# Altium PCB LED Tweezer.PcbDoc
Units mil, origin at the board's own origin, x right, y up, seen from the top; angles counter-clockwise.
Board outline 3700.79 x 2125.98 mil, 2 copper layers (Top Layer, Bottom Layer), stack 65.792 mil thick; 24 components, 25 nets, 105 pads, 11 vias.
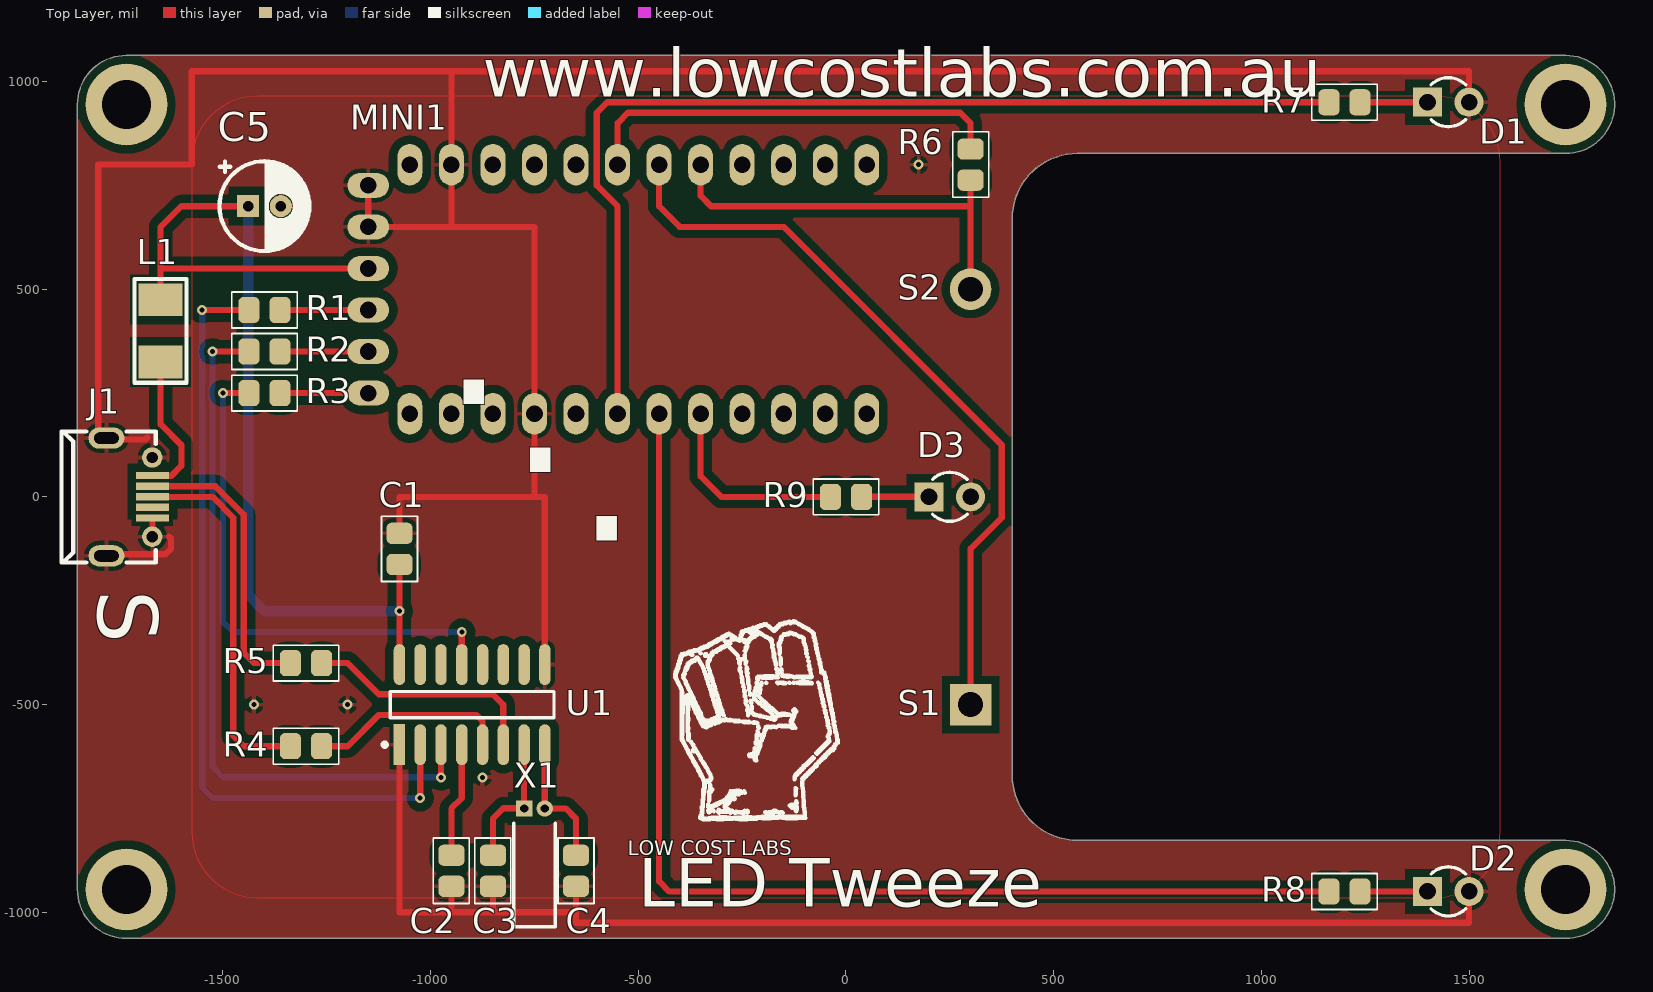
[diagram p0: Top Layer view]
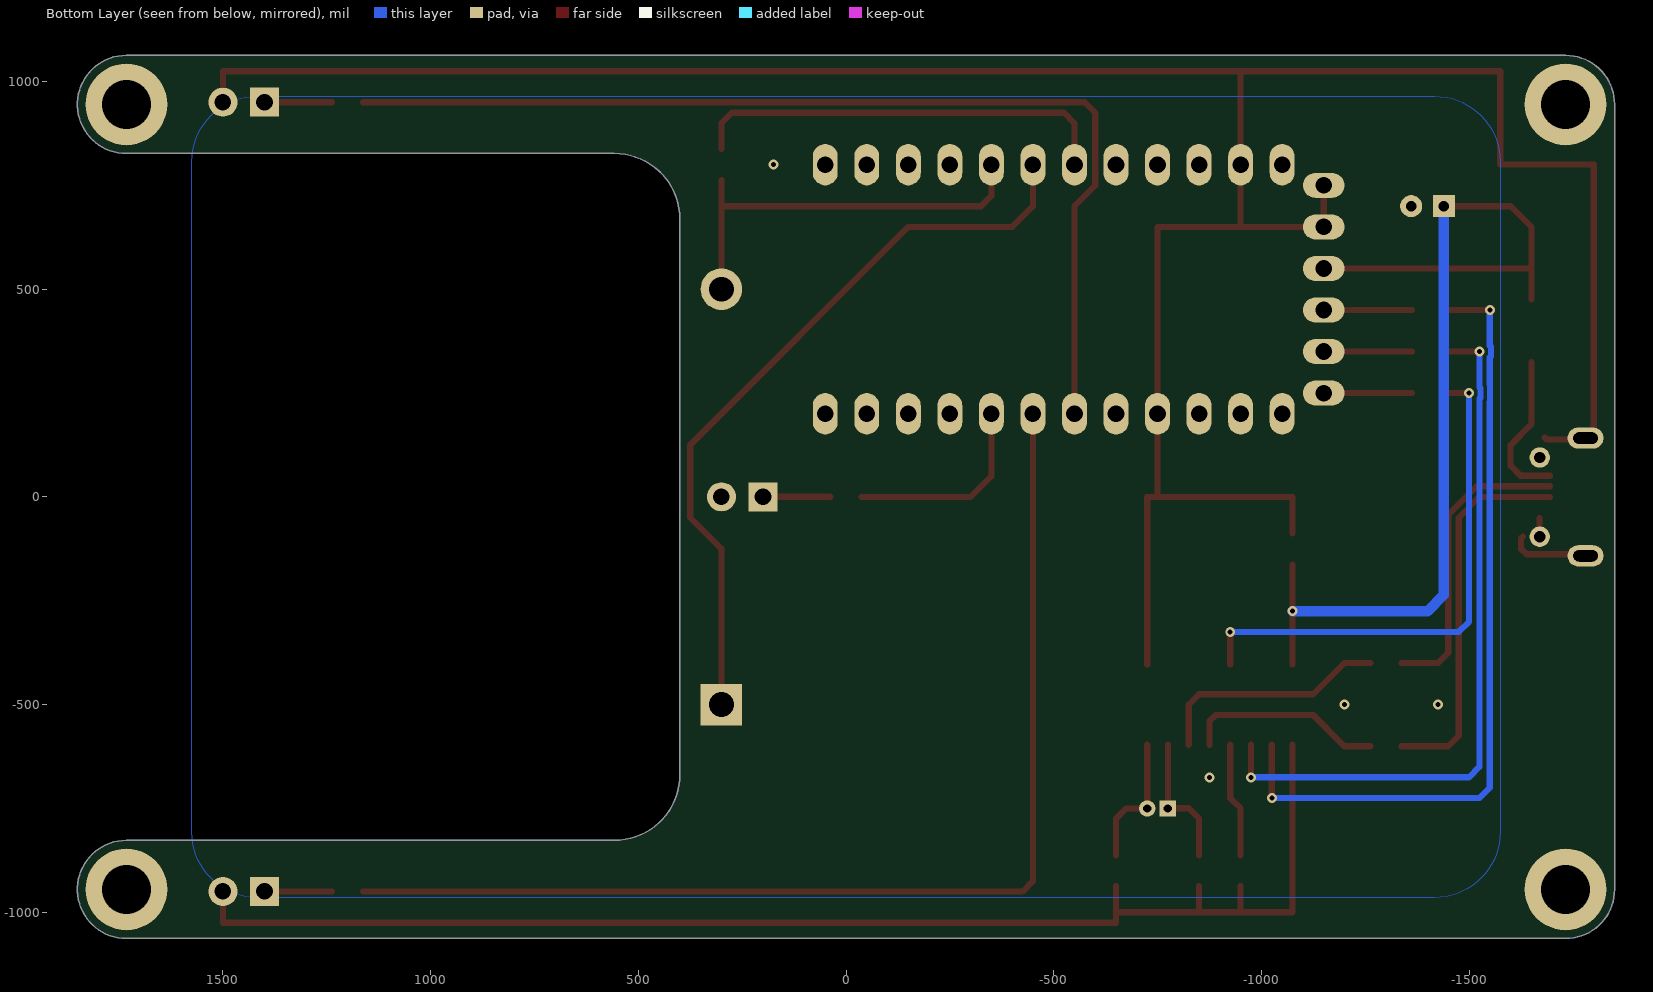
[diagram p1: Bottom Layer view, seen from below]
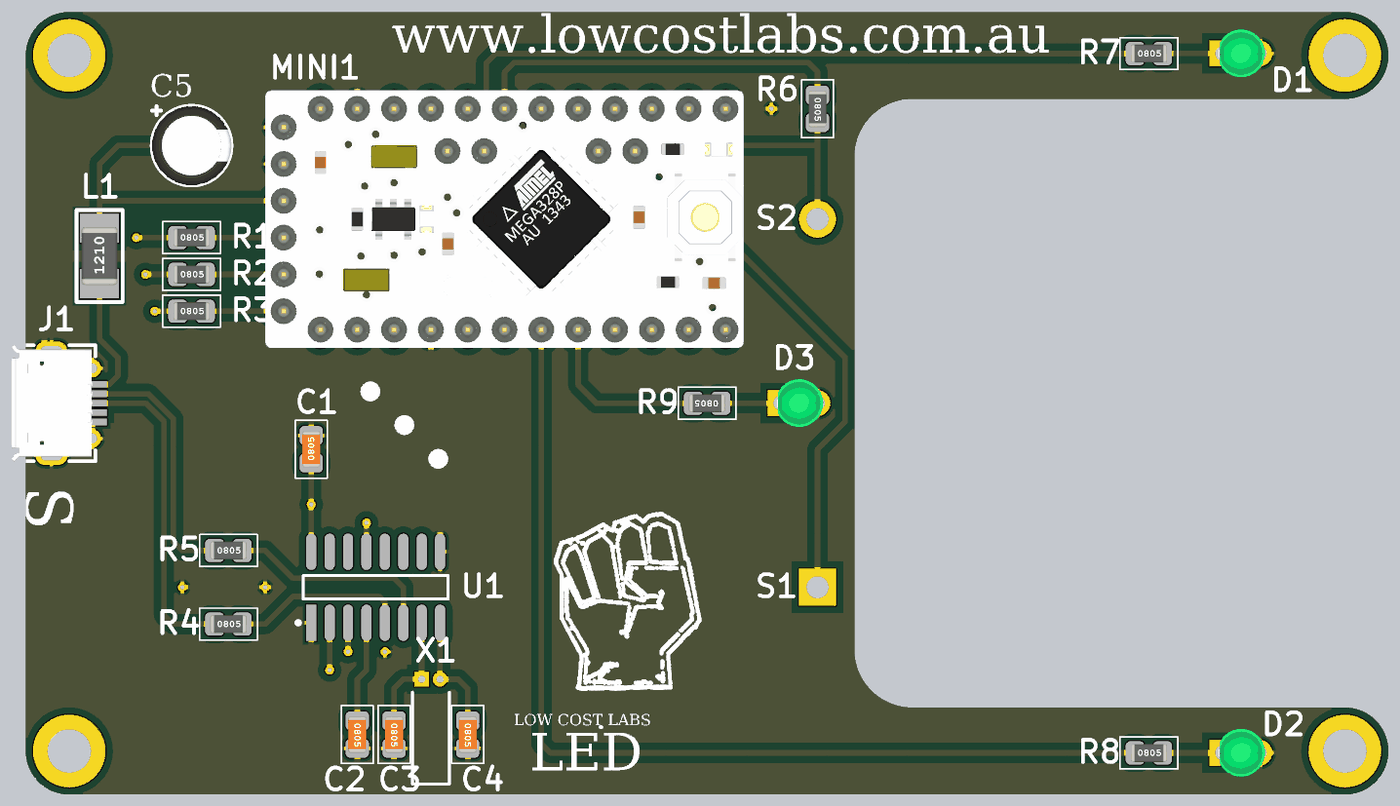
[diagram p2: 3D render of the assembled board from above, using the file's embedded part models]

## Layer stack, top to bottom
Top Solder: solder mask 0.4, Solder Resist, Dk 3.5
Top Layer: signal copper 1.4
Dielectric 1: dielectric 62.9921, FR-4, Dk 4.8
Bottom Layer: signal copper 1.4
Bottom Solder: solder mask 0.4, Solder Resist, Dk 3.5

## Board outline
-1850.39,-944.88 -1850.39,944.88 cw(c-1732.28,944.88) -1732.28,1062.99 1732.28,1062.99 cw(c1732.28,944.88) 1732.28,826.77 557.48,826.77 ccw(c557.48,669.29) 400,669.29 400,-669.29 ccw(c557.48,-669.29) 557.48,-826.77 1732.28,-826.77 cw(c1732.28,-944.88) 1732.28,-1062.99 -1732.28,-1062.99 cw(c-1732.28,-944.88)

## Design rules (kind name [scope] priority, off if disabled: settings)
Clearance Poly_GND [inPolygon vs not innet (gnd)] p1: gap=20
Clearance [All] p2: gap=8
HoleSize [All] p1 off: absolutevalues=TRUE maxlimit=100 minlimit=1 maxpercent=80.000 minpercent=20.000
HoleSize Testpoint [All] p2 off: absolutevalues=TRUE maxlimit=100 minlimit=1 maxpercent=80.000 minpercent=20.000
HoleSize TestPointUsage [All] p3 off: absolutevalues=TRUE maxlimit=100 minlimit=1 maxpercent=80.000 minpercent=20.000
HoleToHoleClearance [All] p1 off: gap=10 allowstackedmicrovias=TRUE
LayerPairs [All] p1 off: enforce=TRUE
MinimumSolderMaskSliver [All] p1 off: minsoldermaskwidth=10
MinimumSolderMaskSliver SilkscreenOverComponentPads [All] p2 off: minsoldermaskwidth=10
NetAntennae [All] p1 off: netantennaetolerance=0
PolygonConnect [All] p1: connectstyle=Relief reliefconductorwidth=10 reliefentries=4 polygonreliefangle="90 Angle" airgapwidth=10
RoomDefinition "LED Tweezer" [InComponentClass('LED Tweezer')] p1: confinementstyle=ConfineIn formatcopy=TRUE lockcomponents=FALSE outline -1900,-1100 1900,-1100 1900,1100 -1900,1100
RoutingVias [All] p1: holewidth=12 width=24 viastyle="Through Hole" minholewidth=12 minwidth=24 maxholewidth=28 maxwidth=50
SilkToSilkClearance [All] p1 off: silktosilkclearance=10
SilkToSolderMaskClearance [IsPad] p1 off: minsilkscreentomaskgap=10 clearancetoexposedcopper=TRUE
SolderMaskExpansion [All] p1: expansion=4
Width Standard [All] p1: maxlimit=25 minlimit=8 preferedwidth=8
Width Power [inNet('VIN')] p2: maxlimit=100 minlimit=8 preferedwidth=25
23 further rules are at their usual default settings.

## Components (designator, comment, footprint, x,y, rotation, side; value= is the part's Value field where it differs from the comment)
C1 "100nF" "CAPACITOR 0805" -1075,-125 r90 top
C2 "100nF" "CAPACITOR 0805" -950,-900 r270 top
C3 "22pF" "CAPACITOR 0805" -850,-900 r270 top
C4 "22pF" "CAPACITOR 0805" -650,-900 r270 top
C5 "10uF" "CAP ELECTRO 5mm" -1400,700 r0 top (schematic designator C1)
D1 "LED (RED)" "LED(3D) 3MM VERTICAL (GREEN)" 1450,950 r180 top
D2 "LED (GREEN)" "LED(3D) 3MM VERTICAL (GREEN)" 1450,-950 r180 top
D3 "LED (BLUE)" "LED(3D) 3MM VERTICAL (GREEN)" 250,0 r180 top
J1 "LCSC #C145792" MICRO-B-USB-SMD -1725,0 r270 top
L1 "BEAD" "RES (3D) - 1210" -1650,400 r90 top
MINI1 "ARDUINO PRO MINI" "ARDUINO PRO MINI" -500,500 r270 top
R1 "LINK" "RESISTOR 0805" -1400,450 r0 top
R2 "LINK" "RESISTOR 0805" -1400,350 r0 top
R3 "LINK" "RESISTOR 0805" -1400,250 r0 top
R4 "220R" "RESISTOR 0805" -1300,-600 r0 top
R5 "220R" "RESISTOR 0805" -1300,-400 r0 top
R6 "Value" "RESISTOR 0805" 300,800 r270 top
R7 "Value" "RESISTOR 0805" 1200,950 r0 top
R8 "Value" "RESISTOR 0805" 1200,-950 r0 top
R9 "Value" "RESISTOR 0805" 0,0 r180 top
S1 "PROBE(+)" SOCKET-SQUARE 300,-500 r90 top
S2 "PROBE(-)" SOCKET-ROUND 300,500 r90 top
U1 "CH340G" SOIC-16 -900,-500 r90 top
X1 "12MHz" ABRA-AB15T-2_V -750,-750 r90 top

## Footprints (in the part's own frame and the unit in brackets; to place one, negate y for a bottom-side part, rotate by r counter-clockwise, add the part's x,y. Pads: shape width x height; smd on the part's side, far side on the other; paste and mask are expansions set on the pad)
ABRA-AB15T-2_V [mm] "THD, 2-Leads, Body 5.1x1.5mm, Height 1.5mm"
  rect 1x1 hole 0.5: 1(0,0.627)
  round 1 hole 0.5: 2(0,-0.627)
  silkscreen extent -7.24,-1.27 -0.89,1.27, body extent -7.02,-1 0.12,1, height 2
"ARDUINO PRO MINI" [mil]
  oval 100x60 hole 40: 1(300,-550) 2(300,-450) 3(300,-350) 4(300,-250) 5(300,-150) 6(300,-50) 7(300,50) 8(300,150) 9(300,250) 10(300,350) 11(300,450) 12(300,550) 13(-300,550) 14(-300,450) 15(-300,350) 16(-300,250) 17(-300,150) 18(-300,50) 19(-300,-50) 20(-300,-150) 21(-300,-250) 22(-300,-350) 23(-300,-450) 24(-300,-550)
  oval 60x100 hole 40: 25(250,-650) 26(150,-650) 27(50,-650) 28(-50,-650) 29(-150,-650) 30(-250,-650)
  body extent -350,-700 350,600, height 239
"CAP ELECTRO 5mm" [mm]
  rect 1.35x1.35 hole 0.65: 1(-1,0)
  round 1.35 hole 0.65: 2(1,0)
  silkscreen extent -2.75,-2.75 2.75,2.75, body extent -2.75,-2.75 2.75,2.75, height 12.5
"CAPACITOR 0805" [mm]
  rrect50% 1.3x1.6 smd: 1(-0.95,0) 2(0.95,0)
  silkscreen extent -2,-1.1 2,1.1, body extent -1.25,-0.62 1.25,0.62, height 0.8
"LED(3D) 3MM VERTICAL (GREEN)" [mil]
  rect 70x70 hole 40: 1(50.06,-0.28)
  round 70 hole 40: 2(-49.94,-0.28)
  silkscreen extent -42,-59 42,59, body extent -65,-65 61,64, height 196
MICRO-B-USB-SMD [mm] "Korean Hroparts Elec U-F-M5DD-W-L (LCSC #C145792)"
  rect 0.45x2 smd: 1(-1.31,1.407) 2(-0.66,1.407) 3(-0.01,1.407) 4(0.64,1.407) 5(1.29,1.407)
  oval 1.3x2.199 hole 0.7 slot 1.5 at 90 deg: SHIELD(-3.6,-1.407) SHIELD(3.6,-1.407)
  round 1.25 hole 0.7: SHIELD(-2.41,1.393) SHIELD(2.431,1.393)
  silkscreen extent -4,-4.15 4,1.61, body extent -4.04,-4.17 4.01,1.41, height 2.77
"RES (3D) - 1210" [mm] "Chip Diode; Body 3.2 x 2.5 mm (LxW typ)"
  rect 2x2.7 smd: 1(-1.905,0) 2(1.905,0)
  silkscreen extent -3.17,-1.59 3.17,1.59, body extent -2,-1.24 2,1.24, height 1.7
"RESISTOR 0805" [mm]
  rrect50% 1.3x1.6 smd: 1(-0.95,0) 2(0.95,0)
  silkscreen extent -2,-1.1 2,1.1, body extent -1.25,-0.62 1.25,0.62, height 0.8
SOCKET-ROUND [mil]
  round 100 hole 60 unplated: 1(0,0)
SOCKET-SQUARE [mil]
  rect 100x100 hole 60 unplated: 1(0,0)
SOIC-16 [mm] "SOIC, 16-Leads, Body 9.9x3.9mm, Pitch 1.27mm, IPC Low Density"
  rect 2.5x0.7 smd: 1(-2.45,4.445)
  oval 2.5x0.7 smd: 2(-2.45,3.175) 3(-2.45,1.905) 4(-2.45,0.635) 5(-2.45,-0.635) 6(-2.45,-1.905) 7(-2.45,-3.175) 8(-2.45,-4.445) 9(2.45,-4.445) 10(2.45,-3.175) 11(2.45,-1.905) 12(2.45,-0.635) 13(2.45,0.635) 14(2.45,1.905) 15(2.45,3.175) 16(2.45,4.445)
  silkscreen extent -2.57,-5 0.8,5.47, body extent -3.08,-5.04 3.08,5.04, height 2

## Part data
C1 C2: library part "0603 CAPACITOR-1", "GENERIC 0603 CAPACITOR (IPCC COMPLIANT)"
C3 C4: library part CMP-xz5e0ntg24ede4ywr789-1, "Capacitor 0805"
C5: library part CMP-su2zmkw1kc3z49ns9isd-1, "5mm Through Hole Electrolytic 2mm Pitch, 5mm height"
D1 D2 D3: library part "LED 3mm RED", "3mm RED LED"
J1: library part CMP-284de3f198a7f78a-3, "Hirose ZX62D-B-5PA8 MICRO USB"
L1: library part "INDUCTOR SMD 1210 100uH", "INDUCTOR SMD 1210"
R1 R2 R3 R4 R5: library part CMP-nyzt47j077kuntqddeld-3, "GENERIC 0603 RESISTOR (IPCC COMPLIANT)"
R6 R7 R8 R9: library part Res2, "Resistor"
S1 S2: library part "Banana Plug Socket", "Banana Socket"
U1: "CH340G USB To Serial (TTL) Module"
X1: library part CMP-781972-4, "Low Frequency Cylindrical Watch Crystal, 32.768 kHz, -20 to 70 degC, 2-Pin 5 x 1.4 x 1.5 mm THD, RoHS, Bulk"

## Free pads (board coordinates)
  round 10 on Mech16: 1(5082.1,-3582.94) 1(5082.1,-3582.94) 1(5082.62,-3660.05) 1(5082.62,-3660.05) 1(5269.4,-3515.17) 1(5269.4,-3515.17)
  round 196.85 hole 118.11 unplated: MOUNT(-1732.28,-944.88) MOUNT(-1732.28,944.88) MOUNT(1732.28,-944.88) MOUNT(1732.28,944.88)

## Via types
v1: diameter 24, hole 12, Top Layer to Bottom Layer, 11 vias

## Nets (pads, with @x,y where several pads share a name; then routed paths per layer and width w, separated by ;. In a path a pad name is that pad's centre, name@x,y a point inside that pad or via, vN(x,y) a via of type N, cw(c..) or ccw(c..) an arc to the next point about the centre after c; other vN are vias at no path point)
3V3: C2.1 U1.4 | length 276.5
  Top Layer w15: C2.1 -950,-750 -925,-725 U1.4
DTR: MINI1.25 R3.2 | length 212.6
  Top Layer w15: R3.2 MINI1.25
GND: C1.2 C2.2 C3.2 C4.2 C5.2 D1.2 D2.2 D3.2 J1.5 J1.SHIELD MINI1.4 MINI1.23 MINI1.29 MINI1.30 U1.1 U1.9 | length 10270.2
  Top Layer w15: J1.SHIELD@-1800,-138.29 -1638.29,-138.29 -1625,-125 -1625,-100 -1629.53,-95.47 ; -1681.89,143.11 -1686.73,138.27 -1800,138.27 -1800,800 -1575,800 -1575,1025 -950,1025 ; J1.SHIELD@-1669.59,-95.12 J1.5 ; MINI1.30 MINI1.29 -950,650 ; U1.1 -1075,-1000 -950,-1000 ; C1.2 -1075,0 -750,0 ; C2.2 -950,-1000 ; C3.2 -850,-1000 ; U1.9 -725,0 -750,0 ; C4.2 -650,-1000 -850,-1000 ; -649.94,-1000.06 -649.94,-1024.94 1499.94,-1024.94 D2.2 ; D1.2 1499.94,1024.94 1499.88,1025 -950,1025 ; -950,-1000 -850,-1000 ; -950,650 -750,650 MINI1.4 -750,0 ; -950,650 MINI1.23 -950,1025
  other v1: -875,-675 -1425,-500 -1200,-500 175,800
NetC3_1: C3.1 U1.7 X1.1 | length 326.3
  Top Layer w15: C3.1 -850,-775 -824.68,-749.68 -775,-749.68 U1.7
NetC4_1: C4.1 U1.8 X1.2 | length 326.9
  Top Layer w15: U1.8 -725.31,-596.77 X1.2 -675,-750 -650,-775 C4.1
NetD1_1: D1.1 R7.2 | length 162.3
  Top Layer w15: R7.2@1237.69,950.28 D1.1
NetD2_1: D2.1 R8.2 | length 162.3
  Top Layer w15: R8.2@1237.69,-949.72 D2.1
NetD3_1: D3.1 R9.1 | length 162.7
  Top Layer w15: R9.1 37.69,0.28 D3.1
NetJ1_1: J1.1 L1.1 | length 375.3
  Top Layer w15: J1.1@-1694.69,51.18 -1623.82,51.18 -1600,75 -1600,125 -1650,175 L1.1
NetR1_1: R1.1 U1.2 | length 1929
  Top Layer w15: v1(-1550,450) R1.1 ; v1(-1025,-725) U1.2
  Bottom Layer w15: v1(-1550,450) -1550,363.89 -1552.5,361.39 -1552.5,338.61 -1550,336.11 -1550,271.42 -1550.5,270.92 -1550.5,229.08 -1550,228.58 -1550,-700 -1525,-725 v1(-1025,-725)
NetR2_1: R2.1 U1.3 | length 1728.6
  Top Layer w15: v1(-1525,350) R2.1 ; v1(-975,-675) U1.3
  Bottom Layer w15: v1(-1525,350) -1525,263.89 -1527.5,261.39 -1527.5,238.61 -1525,236.11 -1525,-650 -1500,-675 v1(-975,-675)
NetR3_1: R3.1 U1.13 | length 1276.5
  Top Layer w15: v1(-1500,250) R3.1 ; U1.13 v1(-925,-325)
  Bottom Layer w15: v1(-1500,250) -1500,-300 -1475,-325 v1(-925,-325)
NetR4_2: R4.2 U1.5 | length 481.3
  Top Layer w15: R4.2 -1200,-600 -1125,-525 -890,-525 -875,-540 U1.5
NetR5_2: R5.2 U1.6 | length 575.5
  Top Layer w15: R5.2 -1200,-400 -1125,-475 -850,-475 -825,-500 U1.6
PROBE_A: MINI1.18 S1.1 | length 1819.2
  Top Layer w15: MINI1.18 -450,700 -400,650 -150,650 375,125 375,-50 300,-125 S1.1
PROBE_B: MINI1.17 R6.2 S2.1 | length 998
  Top Layer w15: MINI1.17 -350,725 -325,700 300,700 ; S2.1 300,700 ; R6.2 300,700
RXIN: MINI1.27 R1.2 | length 212.6
  Top Layer w15: R1.2 MINI1.27
SENSE: MINI1.19 R6.1 | length 1033.3
  Top Layer w15: MINI1.19 -550,900 -525,925 275,925 300,900 R6.1
STATUS_0: MINI1.6 R7.1 | length 2518.7
  Top Layer w15: MINI1.6 -550,700 -600,750 -600,925 -575,950 R7.1
STATUS_1: MINI1.7 R8.1 | length 2748
  Top Layer w15: MINI1.7 -450,-925 -425,-950 R8.1
STATUS_2: MINI1.8 R9.2 | length 483.3
  Top Layer w15: MINI1.8 -350,50 -300,0 R9.2
TXOUT: MINI1.26 R2.2 | length 212.6
  Top Layer w15: R2.2 MINI1.26
USB_5V: C1.1 C5.1 L1.2 MINI1.28 U1.16 | length 2463.8
  Top Layer w15: L1.2 -1650.01,649.99 -1600,700 C5.1 ; -1650.01,550 MINI1.28 ; U1.16 v1(-1075,-275) C1.1
  Bottom Layer w25: C5.1 -1439.37,-235.63 -1400,-275 v1(-1075,-275)
USB_D+: J1.3 R4.1 | length 913.3
  Top Layer w15: J1.3@-1694.68,0 -1525,0 -1475,-50 -1475,-575 -1450,-600 R4.1
USB_D-: J1.2 R5.1 | length 728.4
  Top Layer w15: J1.2@-1694.69,25.59 -1518.06,25.59 -1450,-42.47 -1450,-375 -1425,-400 R5.1
pads on no net: J1.4 MINI1.1 MINI1.2 MINI1.3 MINI1.5 MINI1.9 MINI1.10 MINI1.11 MINI1.12 MINI1.13 MINI1.14 MINI1.15 MINI1.16 MINI1.20 MINI1.21 MINI1.22 MINI1.24 U1.10 U1.11 U1.12 U1.14 U1.15

## Polygon pours and split planes (outlines as drawn)
GND on Top Layer "TOP GND" (solid, remove dead copper, pour order 3): -1850.39,-944.88 -1850.39,944.88 cw(c-1732.28,944.88) -1732.28,1062.99 1732.28,1062.99 cw(c1732.28,944.88) 1732.28,826.77 557.48,826.77 ccw(c557.48,669.29) 400,669.29 400,-669.29 ccw(c557.48,-669.29) 557.48,-826.77 1732.28,-826.77 cw(c1732.28,-944.88) 1732.28,-1062.99 -1732.28,-1062.99 cw(c-1732.28,-944.88)
GND on Top Layer "TOP GND" (solid, remove dead copper, shelved, pour order 0): -1574.8,-807.09 ccw(c-1417.32,-807.09) -1417.32,-964.57 1417.32,-964.57 ccw(c1417.32,-807.09) 1574.8,-807.09 1574.8,807.09 ccw(c1417.32,807.09) 1417.32,964.57 -1417.32,964.57 ccw(c-1417.32,807.09) -1574.8,807.09
GND on Bottom Layer "BOTTOM GND" (solid, remove dead copper, pour order 1): -1850.39,-944.88 -1850.39,944.88 cw(c-1732.28,944.88) -1732.28,1062.99 1732.28,1062.99 cw(c1732.28,944.88) 1732.28,826.77 557.48,826.77 ccw(c557.48,669.29) 400,669.29 400,-669.29 ccw(c557.48,-669.29) 557.48,-826.77 1732.28,-826.77 cw(c1732.28,-944.88) 1732.28,-1062.99 -1732.28,-1062.99 cw(c-1732.28,-944.88)
GND on Bottom Layer "BOTTOM GND" (solid, shelved, pour order 1): -1574.8,-807.09 ccw(c-1417.32,-807.09) -1417.32,-964.57 1417.32,-964.57 ccw(c1417.32,-807.09) 1574.8,-807.09 1574.8,807.09 ccw(c1417.32,807.09) 1417.32,964.57 -1417.32,964.57 ccw(c-1417.32,807.09) -1574.8,807.09

## Silkscreen, mask and mechanical layers (free items; w line width, h text height)
Top Overlay:
  drawing of 3736 lines, arcs and shapes, not listed
  text "www.lowcostlabs.com.au" at -875,925 h200
  text "⋱" at -975,-175 h600
  text "S" at -1850,-225 h250 r270
  text "LOW COST LABS" at -525,-875 h60
  text "LED Tweeze" at -500,-1025 h200
Mechanical 1:
  the board outline again, w7.87
Mechanical 32:
  drawing of 655 lines, arcs and shapes, not listed
  text "1" at -4645.67,3996.06 h100
  text "2" at -1377.95,3996.06 h100
  text "3" at 1574.8,3996.06 h100
  text "4" at 4389.76,3996.06 h100
  text "A" at -5767.72,3090.55 h100
  text "A" at 5728.35,3090.55 h100
  text "B" at -5787.4,1003.94 h100
  text "B" at 5708.66,1003.94 h100
  text "C" at -5767.72,-1122.05 h100
  text "C" at 5728.35,-1122.05 h100
  text "D" at -5767.72,-3248.03 h100
  text "D" at 5728.35,-3248.03 h100
  text "LOW COST LABS" at 2696.85,-3307.09 h100
  text "TITLE: Game of Simon" at 1377.95,-3523.62 h100
  text "ludzinc.blogspot.com.au" at 3725,-3550 h100
  text "SIZE: A4" at 1377.95,-3700.79 h100
  text "Number: LCL_017" at 2204.72,-3700.79 h100
  text "Revison 1.00" at 2992.13,-3700.79 h100
  text "www.lowcostlabs.com.au" at 3740.16,-3700.79 h100
  text "DATE:" at 1377.95,-3818.9 h100
  text ".Print_Date" at 1614.17,-3818.9 h100
  text "SHEET 1 of 1" at 2992.13,-3818.9 h100
  text "FILE:" at 1377.95,-3917.32 h100
  text ".Pcb_File_Name" at 1614.17,-3917.32 h100
  text "S" at -5649.61,-3937.01 h100
  text "1" at -4645.67,-4055.12 h100
  text "2" at -1377.95,-4055.12 h100
  text "3" at 1574.8,-4055.12 h100
  text "4" at 4389.76,-4055.12 h100